# KiCad board test_ledout.kicad_pcb (continued)
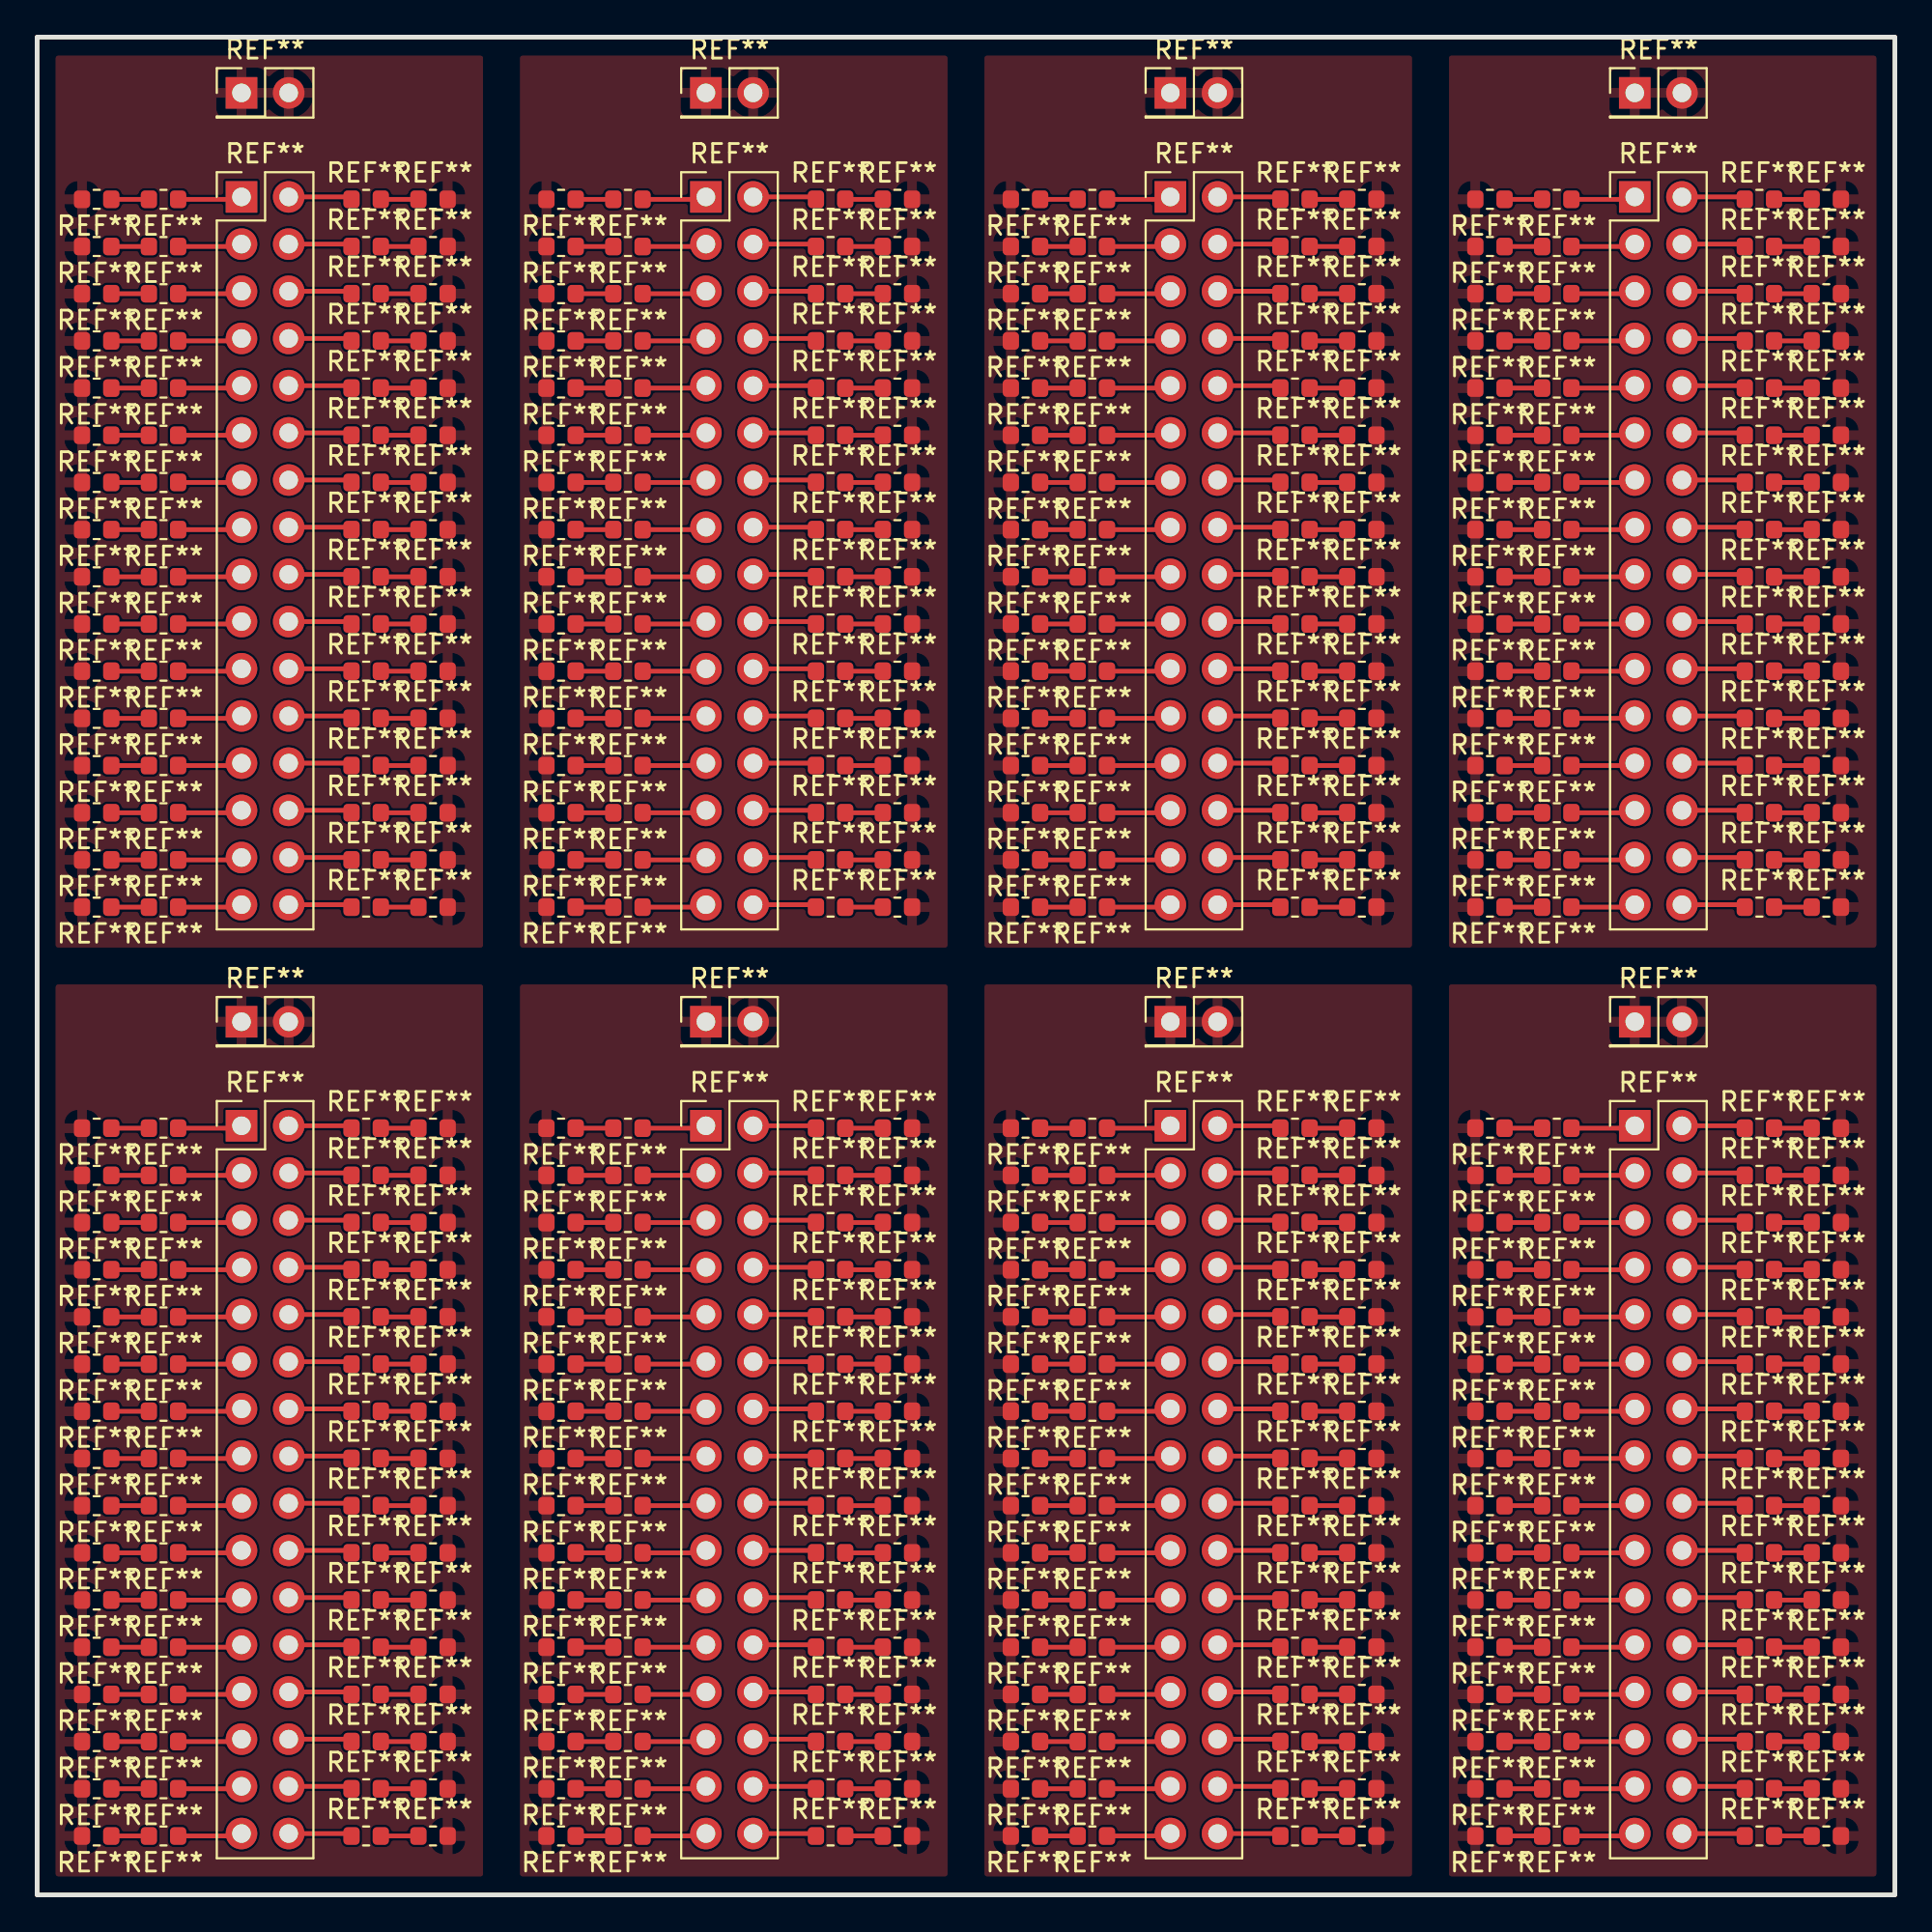
[diagram p0: board, top side]
## Routing (per net, layer and track width the routed paths; a pad name or vN(x,y) marks a point on that pad's centre or on a via; arc(x,y) is an arc through that point) (continued)

## Copper pours and planes (outline as drawn; the poured copper is in the pictures)
gnd on Top: 49,1 26,1 26,49 49,49
gnd on Top: 74,51 51,51 51,99 74,99
gnd on Top: 74,1 51,1 51,49 74,49
gnd on Top: 99,1 76,1 76,49 99,49
gnd on Top: 24,51 1,51 1,99 24,99
gnd on Top: 99,51 76,51 76,99 99,99
gnd on Top: 24,1 1,1 1,49 24,49
gnd on Top: 49,51 26,51 26,99 49,99
gnd on Top, Bottom: 49,1 26,1 26,49 49,49
gnd on Top, Bottom: 74,51 51,51 51,99 74,99
gnd on Top, Bottom: 74,1 51,1 51,49 74,49
gnd on Top, Bottom: 99,1 76,1 76,49 99,49
gnd on Top, Bottom: 24,51 1,51 1,99 24,99
gnd on Top, Bottom: 99,51 76,51 76,99 99,99
gnd on Top, Bottom: 24,1 1,1 1,49 24,49
gnd on Top, Bottom: 49,51 26,51 26,99 49,99
